# Altium PCB GN-1866-A-V2.PCBDOC (part 2 of 5)
Units mil, origin at the board's own origin, x right, y up, seen from the top; angles counter-clockwise.
Board outline 2475 x 2671.81 mil, 6 copper layers (TOP, ART02, ART03, ART04, ART05, BOTTOM), stack 47.2 mil thick; 347 components, 311 nets, 1697 pads, 1562 vias.
Unrouted connection lines stored in the file: 4.
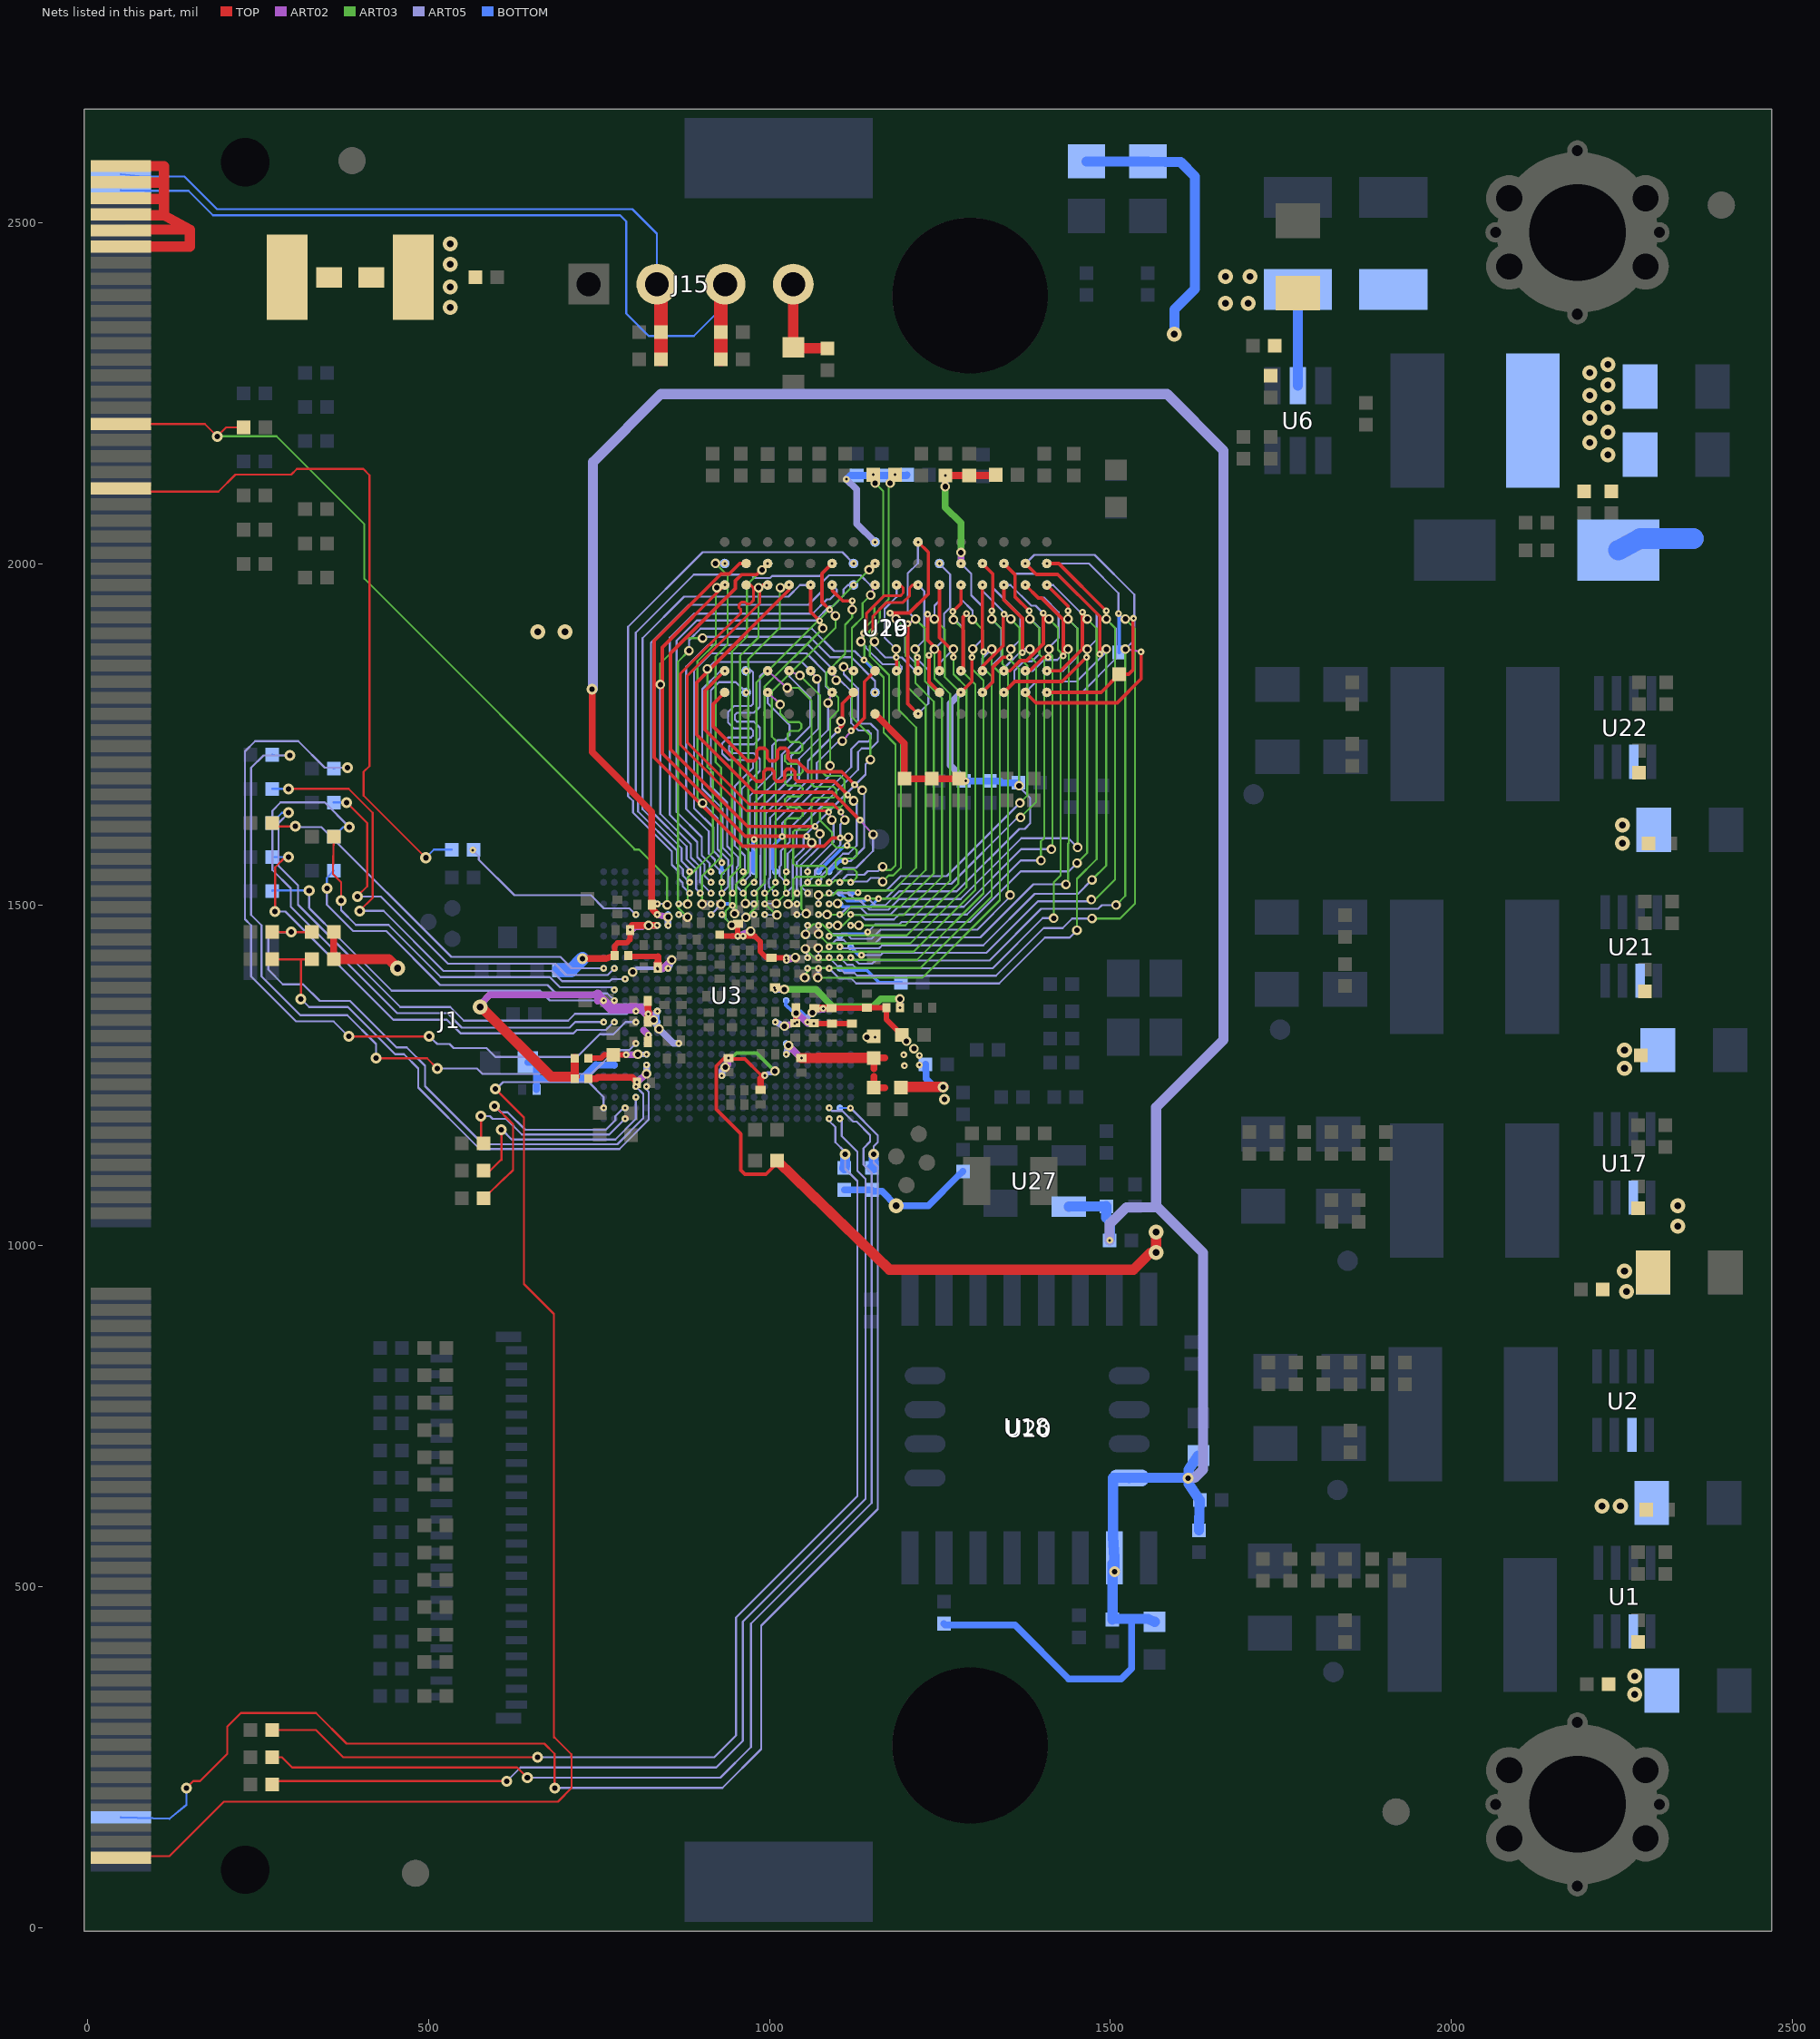
[diagram p6: the nets of this part, all layers, seen from the top]

## Via types
v1: diameter 10, hole 4, ART05 to BOTTOM, 456 vias
v2: diameter 22, hole 10, TOP to BOTTOM, 315 vias
v3: diameter 10, hole 4, TOP to ART02, 297 vias
v4: diameter 16, hole 8, TOP to BOTTOM, 255 vias
v5: diameter 14, hole 8, ART02 to ART05, 238 vias
v6: diameter 10, hole 4, ART02 to ART05, 1 vias

## Nets (pads, with @x,y where several pads share a name; then routed paths per layer and width w, separated by ;. In a path a pad name is that pad's centre, name@x,y a point inside that pad or via, vN(x,y) a via of type N, cw(c..) or ccw(c..) an arc to the next point about the centre after c; other vN are vias at no path point) (continued)
3V3: 3V3.1 C13.1 C28.2 C31.1 C32.1 C35.1 C36.1 C37.1 C43.1 C47.1 C55.1 C66.1 C69.1 C75.1 C76.1 C78.1 C79.1 C145.1 C146.1 C148.1 C149.1 C201.1 C310.1 C326.1 C448.1 C463.1 C480.1 J15.4 L1.2 LB7.1 LB14.2 LB17.2 LED1.1 LED3.1 R4.1 R15.1 R16.1 R33.1 R40.1 R41.1 R42.1 R68.1 R82.1 R84.1 R90.2 R245.1 R265.1 U1.2 U2.2 U3.F19 U3.K19 U3.P19 U3.R6 U3.R19 U3.U17 U3.Y9 U3.Y13 U17.2 U21.2 U22.2 | length 3183.5
  TOP w3: v3@992,1250 v3(993,1250)
  TOP w5: v3(940,1275.5) C31.1@939.7,1275.32 ; v3@992,1250 987,1250 987,1251 964,1274 939.65,1274 938.84,1274.81 C31.1@939.7,1275.32 ; R15.1@1013.01,1123.05 994.97,1105 964,1105 958,1111 958,1164 922,1200 922,1263.68 933.64,1275.32 C31.1@939.7,1275.32 ; v3(1065,1326) C146.1@1065,1326.5
  TOP w8: LB17.2@772.8,1425.5 772.8,1439.55 777.25,1444 790.5,1444 795.5,1449 795.76,1461 v3(795.82,1463.55) ; v3(1065,1326) C28.2@1091.88,1326.09 C310.1@1121.03,1326.12
  TOP w10: R82.1@361,1420 R33.1@361,1460 ; v4(726,1421) 760,1421 LB17.2@772.8,1425.5 ; C145.1@795.5,1463 795.76,1461 v3(795.82,1463.55) 795.76,1466.76 799,1470 v3(835,1470) ; C55.1@821.5,1359 v3@822.5,1340.5 ; C32.1@987,1228.5 987,1245 v3@992,1250 ; v3@822.5,1340.5 v3(822,1340) C148.1@821.5,1329 v3@822.5,1340.5
  TOP w12: LB14.2@714.38,1245.03 714.38,1248 LB7.1@714.38,1275.03
  TOP w15: R82.1@361,1420 375.05,1420.18 441.82,1420.18 v2(455,1407) ; v2(576,1350) 577.53,1350 679.53,1248 LB14.2@714.38,1248 ; R15.1@1011,1125 1013.01,1123.05 1176,965 1534,965 1559,990 v2(1567,990) v2(1567,1020) ; J15.4@1035,2410 C480.1@1035,2317.5 1036.38,2316.12 1080.91,2316.12 C448.1@1085,2316
  ART02 w10: v2(576,1350) 577,1349 577,1355 590,1368 748,1368 748,1359 ; v3(795.82,1463.55) 799.21,1464.34 799.63,1464.34 802.99,1467.7 813.61,1467.7 815.76,1469.84 v5(822.8,1469.84) 822.96,1470 v3(835,1470) ; 815.5,1316 v3(822.5,1309) ; v5(935.21,1261.83) 938.84,1265.46 v3@938.84,1274.81 ; v5(1039,1341) 1041,1341 1056,1326 v3(1065,1326) ; v5(1143,1306) v3(1155,1306)
  ART02 w15: 748,1368 768,1348 814,1348 v3(822,1340)
  ART03 w5: v5@935.93,1261.83 935.93,1266.82 951.63,1282.52 981.48,1282.52 v5(1008,1256)
  ART03 w6: v5(935.21,1261.83) v5@935.93,1261.83
  ART05 w5: v5(799.5,1401.4) 804.96,1406.86 v1(835.62,1406.86)
  ART05 w6: v1(993.1,1249.38) 996.72,1253 1005,1253 v5(1008,1256)
  ART05 w10: v5(822.8,1469.84) v1(835.62,1469.85) ; v1(835.62,1343.87) v5(830,1331) v5(838,1318) 859.38,1296.62 v1(867.11,1296.62) ; v1(930.11,1249.38) 930.11,1256.73 v5(935.21,1261.83) ; v5(1039,1341) v1(1040.34,1328.12)
  BOTTOM w6: U3.R19@835.62,1328.12 v1(835.62,1343.87)
  BOTTOM w10: R245.1@1110,1082 R265.1@1150,1082 1152,1080 1165,1080 v2(1186,1059) 1233,1059 1278,1104 R84.1@1284,1109
  BOTTOM w15: LED1.1@1465,2590 LED3.1@1555,2590 1603,2589 1624,2568 1624,2403 1594,2373 v2(1594,2337)
  BOTTOM w20: R90.2@691,1404 709,1404 v4(726,1421)
  BOTTOM w30: C47.1@2245,2020 2277,2037 3V3.1@2355,2037
  other v2: 2269,342 2269,369 2221,618 2248,618 2257,933 2254,963 2332,1029 2332,1059 2254,1260 2254,1287 2251,1590 2251,1617 660,1900 700,1900 2230,2160 2203,2178 2230,2193 2203,2214 2230,2229 2203,2247 2230,2262 2203,2280 2230,2292
3V3/1V8: C10.1 C41.1 C45.1 C48.1 C183.1 C184.1 C231.1 C306.1 C312.1 C313.1 LB4.2 R2.2 R4.2 R12.2 R36.1 R73.2 R79.1 R86.2 R127.1 U3.E18 U3.F18 U3.N7 U3.R5 U3.U7 U3.V7 U18.8 U20.2 U27.4 | length 5059.7
  TOP w8: C183.1@1091,1348.5 1142.5,1348.5 C313.1@1143,1349 LB4.2@1171.38,1349.03 1171.38,1332.12 R36.1@1194.5,1309
  TOP w10: v4(740,1816) 740,1724 827.5,1636.5 C312.1@827.5,1500 829,1492.38 835.7,1485.68 v3(835.62,1485.6) ; v3(1079,1348) C306.1@1066,1348.5 C183.1@1091,1348.5 ; 1153,1248.02 R2.2@1153,1232 1169.02,1232 ; 1153,1259.48 R4.2@1153,1275.5 1169.02,1275.5
  TOP w15: v3(1046.88,1275.25) 1070.13,1275.25 1070.38,1275.5 R4.2@1153,1275.5 ; R12.2@1193,1232 1195,1233 v4(1255,1233)
  ART02 w10: v3(835.62,1485.6) v5(851.37,1482) ; v5(1028.12,1293.77) v3(1046.88,1275.25)
  ART02 w12: v5(1063,1342) 1069,1348 v3(1079,1348)
  ART05 w8: v1(1056.09,1328.12) 1056.09,1335.09 v5(1063,1342)
  ART05 w10: v1(851.37,1469.85) v5(851.37,1482) ; v1(1024.59,1280.88) v5(1028.12,1293.77)
  ART05 w15: v4@741,1816 741,2149 841,2249 1583,2249 1666,2166 1666,1302 1567,1203 1567,1059 1569.5,1056.5 ; v1(1499,1008) 1499,1032 1523.5,1056.5 1569.5,1056.5 ; v4(1614,659) 1615,660 1624,660 1636,672 1636,990 1569.5,1056.5
  BOTTOM w5: U3.N7@1024.59,1359.62 1024,1353 1033,1344 1046,1344 1056.09,1333.91 v1(1056.09,1328.12)
  BOTTOM w6: v1(851.37,1469.85) U3.E18@851.37,1485.6 ; v1(1024.59,1280.88) U3.U7@1024.59,1296.62
  BOTTOM w10: R79.1@1229,1266 1230,1245 1242,1233 v4(1255,1233) ; R73.2@1256,446 1258,444 1360,444 1439,365 1516,365 1531,380 1531,453
  BOTTOM w15: U27.4@1439,1057.5 R86.2@1494,1058 1494,1041 1499.11,1035.89 1499.11,1010.92 v1(1499,1008) ; v4(1506,522) U20.2@1506,537 ; U18.8@1527.61,659.61 U18.8@1537,659.91 ; C231.1@1565,448.5 1555,453 1531,453 1504,453 C41.1@1503,452 1503.15,456.14 1503.15,533.81 1505.99,536.65 1505.99,536.82 U20.2@1506,537 ; C10.1@1629,692.5 1615,672 1615,660 v4(1614,659) ; R127.1@1630,583 C45.1@1631,627 1615,651 1615,658 v4(1614,659) ; U20.2@1506,537 U20.2@1506,542.53 1504,573 1504,659.91 U18.8@1537,659.91 ; U18.8@1537,659.91 1540,660 1613,660 v4(1614,659)
  other v3: 1198,1264 1220,1265 1220,1279 1197,1280
  other v4: 1257,1215
  other v5: 1212,1289 1201,1300
12V0: BBBB.2 C15.1 C44.1 C46.1 C170.1 C279.1 F1.2 R76.1 U6.5 | length 141.3
  BOTTOM w15: U6.5@1775,2261.18 C44.1@1775,2402.5
  other v2: 532,2376 1669,2382 1702,2382 532,2406 1669,2421 1705,2421 532,2439 532,2469
12V0IN: BBBB.1 F1.1 J1.194 J1.196 J1.198 J1.200 J1.202 J1.204 | length 603.1
  TOP w15: J1.194@49,2465.02 61.01,2465.2 150,2465.2 150,2490 ; J1.196@49,2488.64 58,2490 150,2490 ; J1.198@49,2512.26 70,2511 112,2511 ; J1.200@49,2535.88 64,2535 112,2535 ; J1.202@49,2559.5 70,2559 112,2559 ; J1.204@49,2583.13 112,2583 112,2559 ; F1.1@289,2412 F1.1@292.5,2420 ; 112,2511 150,2490 ; 112,2511 112,2535 ; 112,2535 112,2559
AC_VREF: C33.1 C333.1 U3.W23 | length 175.8
  BOTTOM w10: C333.1@645.5,1269 658.19,1269 658.19,1245 ; C33.1@658.5,1229 658.19,1232.02 658.19,1245 ; U3.W23@772.63,1265.13 745.87,1265.13 745.5,1265.5 725,1245 658.19,1245
AVDD09_PLL: C29.1 LB8.1 U3.R8 | length 59.2
  TOP w7: v3(1037,1326) C29.1@1037.75,1326.75 ; C29.1@1038,1326.5 C29.1@1039,1328 ; LB8.1@1039,1350 C29.1@1039,1328 ; C29.1@1037.75,1326.75 C29.1@1038,1326.5 ; C29.1@1037.75,1326.75 C29.1@1038,1326.5 ; C29.1@1037.75,1326.75 C29.1@1039,1328 ; C29.1@1038,1326.5 C29.1@1039,1328
  ART02 w10: v5(1022,1322) v3(1037,1326)
  ART05 w10: v1(1008.85,1328.12) v5(1022,1322)
AVDD33_AC: C21.2 LB7.2 U3.V20 | length 87.9
  TOP w8: LB7.2@734.38,1275.03 753.02,1275.03 757.99,1280 C21.2@771,1280 v3(790,1280)
  ART02 w10: v3(790,1280) 806.13,1280 v5(807.01,1280.88)
  ART05 w8: v5(807.01,1280.88) v1(819.87,1280.88)
AVDD33_PLL: C30.1 LB4.1 U3.M8 | length 225.3
  ART02 w10: v3(1007.08,1378.09) v5(1021.88,1375.86) ; v3(1191.38,1349.03) v5(1191.38,1362)
  ART03 w10: v5(1021.88,1375.86) 1068.14,1375.86 1093,1351 1152,1351 1163,1362 v5(1191.38,1362)
  ART05 w10: v1(1008.85,1375.36) v5(1021.88,1375.86)
AVDD33_USB2: C42.1 LB17.1 U3.K18 | length 101.3
  TOP w8: LB17.1@792.8,1425.5 793.8,1424.5 835.75,1424.5 836.5,1423.75 ; v3(836.5,1405.99) C42.1@836.5,1407.99
  TOP w10: C42.1@836.5,1414 836.5,1423.75
  TOP w12: C42.1@836.5,1407.99 C42.1@836.5,1414
  ART02 w10: v3(836.5,1405.99) 843.49,1405.99 v5(856.7,1419.2)
  ART05 w10: v1(851.37,1406.86) v5(856.7,1419.2)
AVDD33_VDAC: C22.1 LB14.1 U3.W20 | length 107.8
  TOP w10: LB14.1@734.38,1245.03 746.02,1245.03 747.99,1247 799,1247 v3(806,1240) C22.1@805.5,1239
  ART02 w10: v3(806,1240) v5(819.87,1252.23)
  ART05 w10: v5(819.87,1252.23) v1(819.87,1265.13)
AVDD_DDRPLL: C38.1 C39.1 LB1.2 U3.G11 U3.J7 | length 201.3
  TOP w8: LB1.2@927,1456 928.93,1454.07 v3(953.55,1454.07) ; C39.1@954,1472.5 953.55,1472.05 v3(953.55,1454.07) ; v3(1025.08,1418.59) 1021.58,1422.09 C38.1@1003.08,1422.09 995.9,1422.09 986.58,1431.41 986.58,1446.07 978.58,1454.07 v3(953.55,1454.07)
  ART02 w10: v3(953.55,1454.07) v5(972.4,1461.5) ; v3(1025.08,1418.59) v5(1038.08,1422.79)
  ART05 w8: v1(1024.59,1422.61) v5(1038.08,1422.79)
  ART05 w10: v1(961.6,1454.1) v5(972.4,1461.5)
DDR_1_VREF_CA: C161.1 R183.2 R243.1 U19.M8 | length 227.7
  ART05 w10: v1(1280.92,1811.48) 1264.8,1795.36 1264.8,1704.7 v1(1288,1681.5)
  BOTTOM w10: C161.1@1285,1681.5 v1(1288,1681.5) R183.2@1323,1681.5 1338,1681.5 1340.47,1679.03 R243.1@1365.38,1679.03
DDR_1_VREF_DQ: C162.1 R108.2 R184.1 U19.H1 | length 201.1
  ART05 w10: v1(1113,2124) 1128,2109 1128,2058.88 v1(1154.93,2031.95)
  BOTTOM w10: v1(1113,2124) 1118.5,2129.5 C162.1@1128,2129.5 R108.2@1165,2129.5 1201,2129.5 R184.1@1202,2130.5
DDR_2_VREF_CA: C163.1 R187.2 R236.1 U26.M8 | length 212.9
  TOP w10: v3(1258,2129.5) R187.2@1293,2129.5 1331,2129.5 R236.1@1332,2130.5
  ART02 w10: v5(1258,2113.2) v3(1258,2129.5) ; v3(1280.92,2000.46) v5(1280.92,2016.5)
  ART03 w10: v5(1258,2113.2) 1258,2082.8 1280.92,2059.88 v5(1280.92,2016.5)
DDR_2_VREF_DQ: C164.1 R164.2 R239.1 U26.H1 | length 192.8
  TOP w10: U26.H1@1154.93,1779.99 1198,1736.92 C164.1@1198,1685 R164.2@1238,1685 R239.1@1278,1685
DDR_A0: U3.C1 U19.N3 U26.N3 | length 762.7
  TOP w5: U26.N3@1312.41,1842.98 1312.41,1849.42 1343,1880.01 1343,1925 v3(1344,1926)
  ART02 w3: v3(1344,1926) v5(1354,1919)
  ART03 w3: v5(1354,1919) 1367,1906 1367,1861.99 1370.05,1858.93 1378.17,1850.81 1378.17,1660.17 v5(1367.2,1649.2)
  ART05 w3: v1(1129.95,1518.05) 1132.7,1520.8 1171.3,1520.8 1192.5,1542 1260,1542 v5(1367.2,1649.2) ; v1(1312.41,1968.96) 1312.41,1960.59 v5(1354,1919)
  BOTTOM w5: U3.C1@1119.08,1517.1 1129,1517.1 v1(1129.95,1518.05)
DDR_A1: U3.D2 U19.P7 U26.P7 | length 757
  TOP w5: U26.P7@1343.91,1968.96 1343.91,1947.19 1371,1920.1 v3(1371,1870)
  ART02 w3: v3(1371,1870) v5(1382,1875)
  ART03 w3: v5(1368.3,1628.1) 1391,1650.8 1391,1855 1382,1864 v5(1382,1875)
  ART05 w3: v1(1160,1509) 1170.2,1509 1192,1530.8 1266.82,1530.8 1364.12,1628.1 v5(1368.3,1628.1) ; v1(1343.91,1842.98) 1343.91,1846.91 1372,1875 v5(1382,1875)
  BOTTOM w5: U3.D2@1103.33,1501.35 1107.68,1497 1148,1497 v1(1160,1509)
DDR_A2: U3.J2 U19.P3 U26.P3 | length 1018.2
  TOP w5: U26.P3@1343.91,1842.98 1352.99,1842.98 1368.01,1858 1377,1858 1401.74,1882.74 v3(1401.74,1927.73)
  ART02 w3: v3(1401.74,1927.73) v5(1410,1919)
  ART03 w3: v5(1410,1919) 1423,1906 1423,1873.99 1427,1869.99 1427,1543 1417,1533 v5(1417,1480.5)
  ART05 w3: v1(1103.33,1422.61) 1113.94,1412 1122,1412 1126.85,1407.15 1327.58,1407.15 1400.93,1480.5 v5(1417,1480.5) ; v1(1343.91,1968.96) 1353.55,1968.96 1384.01,1938.5 1390.5,1938.5 v5(1410,1919)
DDR_A3: U3.C2 U19.N2 U26.N2 | length 847
  TOP w5: U26.N2@1312.41,1811.48 1327.43,1826.5 1327.43,1847.93 1342.5,1863 v3(1352,1863)
  ART02 w3: v3(1352,1863) v5(1354,1875)
  ART03 w3: v5(1354,1875) 1354,1858 1366.17,1845.83 v5(1366.17,1674.7)
  ART05 w3: v1(1144,1510) 1154.9,1499.1 1169.8,1499.1 1190.3,1519.6 1274.6,1519.6 1366.4,1611.4 1374.4,1611.4 1382.49,1619.49 1382.49,1656.92 1366.17,1673.24 v5(1366.17,1674.7) ; v1(1312.41,2000.46) 1328,1984.87 1328,1964.5 1368,1924.5 1368,1889 v5(1354,1875)
  BOTTOM w5: U3.C2@1103.33,1517.1 1114.43,1506 1140,1506 v1(1144,1510)
DDR_A4: U3.E1 U19.P8 U26.P8 | length 922
  TOP w5: U26.P8@1343.91,2000.46 1360.03,1984.34 1360.03,1951.97 v3(1381,1931)
  ART02 w3: v3(1381,1931) v5(1382,1919)
  ART03 w3: v5(1382,1919) 1396,1905 1396,1866.99 1403,1859.99 1403,1597.76 1398.24,1593 v5(1398.24,1565)
  ART05 w3: v1(1119.08,1485.6) 1133.3,1485.6 1140.4,1478.5 1182.7,1478.5 1190.2,1486 1289.56,1486 1368.56,1565 v5(1398.24,1565) ; v1(1343.91,1811.48) 1359.08,1826.65 1359.08,1843.08 1373,1857 1385,1857 1396,1868 1396,1906.01 1383.01,1919 v5(1382,1919)
DDR_A5: U3.G2 U19.P2 U26.P2 | length 1091.5
  TOP w5: U26.P2@1343.91,1811.48 1359.91,1827.48 1429.48,1827.48 v3(1465,1863)
  ART02 w3: v3(1465,1863) v5(1466,1875)
  ART03 w3: v5(1451.3,1561.3) 1466,1576 v5(1466,1875)
  ART05 w3: v1(1144,1460) 1155.2,1471.2 1190.2,1471.2 1193.8,1474.8 1294.2,1474.8 1368.4,1549 1439,1549 v5(1451.3,1561.3) ; v1(1343.91,2000.46) 1358.87,1985.5 1422.5,1985.5 1480,1928 1480,1889 v5(1466,1875)
  BOTTOM w5: U3.G2@1103.33,1454.1 1106.23,1457 1141,1457 v1(1144,1460)
DDR_A6: U3.H2 U19.R8 U26.R8 | length 1115.4
  TOP w5: U26.R8@1375.4,2000.46 1391.38,1984.48 1422.82,1984.48 1484.5,1922.8 v3(1484.5,1867.5)
  ART02 w3: v3(1484.5,1867.5) v5(1494,1875)
  ART03 w3: v5(1473.08,1536.59) 1494,1557.51 v5(1494,1875)
  ART05 w3: v1(1103.33,1438.36) 1105.49,1436.2 1160.85,1436.2 1165.4,1440.75 1313.66,1440.75 1389.11,1516.2 1452.69,1516.2 v5(1473.08,1536.59) ; v1(1375.4,1811.48) 1391.51,1827.59 1450.81,1827.59 1494,1870.78 v5(1494,1875)
DDR_A7: U3.J1 U19.R2 U26.R2 | length 1337.8
  TOP w5: U26.R2@1375.4,1811.48 1390.7,1796.18 1510.18,1796.18 1545,1831 v3(1545,1871)
  ART02 w3: v5(1522,1875) v3(1545,1871)
  ART03 w3: v5(1508.5,1499.5) 1522,1513 v5(1522,1875)
  ART05 w3: v1(1119.08,1422.61) 1122.38,1422.61 1131.49,1413.5 1150.75,1413.5 1155.6,1418.35 1322.94,1418.35 1398.59,1494 1482.01,1494 1487.5,1499.49 v5(1508.5,1499.5) ; v1(1375.4,2000.46) 1375.96,2000.46 1388.5,2013 1477,2013 1535,1955 1535,1888 v5(1522,1875)
DDR_A8: U3.H1 U19.T8 U26.T8 | length 1139.5
  TOP w5: U26.T8@1406.9,2000.46 1424.54,2000.46 v3(1494,1931)
  ART02 w3: v5(1494,1919) v3(1494,1931)
  ART03 w3: v5(1472.25,1507.75) 1477.75,1507.75 1507,1537 1507,1906 v5(1494,1919)
  ART05 w3: v1(1134.98,1426.26) 1163.11,1426.26 1166.4,1429.55 1318.3,1429.55 1393.75,1505 1469.5,1505 v5(1472.25,1507.75) ; v1(1406.9,1811.48) 1458.58,1811.48 1508,1860.9 1508,1905 v5(1494,1919)
  BOTTOM w5: U3.H1@1119.08,1438.36 1131.18,1426.26 v1(1134.98,1426.26)
DDR_A9: U3.E2 U19.R3 U26.R3 | length 832.4
  TOP w5: U26.R3@1375.4,1842.98 1381.99,1842.98 1402.01,1863 v3(1408.69,1863)
  ART02 w3: v3(1408.69,1863) v5(1410,1875)
  ART03 w3: v5(1410,1875) 1410,1870 1415,1865 1415,1583 v5(1413.5,1581.5)
  ART05 w3: v1(1103.33,1485.6) 1113.65,1495.35 1133.95,1495.35 1143.5,1485.8 1177.6,1485.8 1189,1497.2 1284.92,1497.2 1369.22,1581.5 v5(1413.5,1581.5) ; v1(1375.4,1968.96) 1393.86,1950.5 1402.5,1950.5 1424,1929 1424,1891.44 1410,1877.44 v5(1410,1875)
DDR_A10: U3.F4 U19.L7 U26.L7 | length 794
  TOP w5: U26.L7@1249.42,1968.96 1249.42,1891.58 1270,1871 v3(1270,1863)
  ART02 w3: v3(1270,1863) v5(1270,1875)
  ART03 w3: v5(1071.84,1457.01) 1085.55,1443.3 1206.58,1443.3 1289,1525.72 1289,1819 1270,1838 v5(1270,1875)
  ART05 w3: v5(1071.84,1457.01) v1(1071.84,1469.85) ; v1(1249.42,1842.98) 1249.42,1854.42 v5(1270,1875)
DDR_A11: U3.H3 U19.R7 U26.R7 | length 954.8
  TOP w5: U26.R7@1375.4,1968.96 1394.36,1950 1399,1950 1431,1918 v3(1431,1865)
  ART02 w3: v3(1431,1865) v5(1438,1875)
  ART03 w3: v5(1435,1530) 1438,1533 1438,1589.7 1439,1590.7 1439,1874 v5(1438,1875)
  ART05 w3: v1(1087.59,1438.36) 1097.83,1448.6 1108.6,1448.6 1114,1443.2 1154.65,1443.2 1163.8,1452.35 1309.42,1452.35 1387.07,1530 v5(1435,1530) ; v1(1375.4,1842.98) 1386.48,1842.98 1402.5,1859 1422.22,1859 v5(1438,1875)
DDR_A12: U3.K4 U19.N7 U26.N7 | length 850.1
  TOP w5: U26.N7@1312.41,1968.96 1312.41,1872.59 v3(1314,1871)
  ART02 w3: v3(1314,1871) v5(1326,1875)
  ART03 w3: v5(1070.84,1393.12) 1224.32,1393.12 1338,1506.8 1338,1840 1326,1852 v5(1326,1875)
  ART05 w3: v5(1070.84,1393.12) v1(1071.84,1406.86) ; v1(1312.41,1842.98) 1312.41,1861.41 v5(1326,1875)
DDR_A13: U3.K3 U19.T3 U26.T3 | length 1090.3
  TOP w5: U26.T3@1406.9,1842.98 1426.99,1842.98 1459,1874.99 v3(1459,1929)
  ART02 w3: v3(1459,1929) v5(1466,1919)
  ART03 w3: v5(1451,1462.7) 1451,1538 1480,1567 1480,1905 v5(1466,1919)
  ART05 w3: v1(1087.59,1406.86) 1102.45,1392 1120,1392 1127.25,1384.75 1336.86,1384.75 1404.11,1452 1440.3,1452 v5(1451,1462.7) ; v1(1406.9,1968.96) 1416.04,1968.96 v5(1466,1919)
DDR_A14: U3.C3 U19.T7 U26.T7 | length 941.5
  TOP w5: U26.T7@1406.9,1968.96 1438,1937.86 v3(1438,1931)
  ART02 w3: v5(1438,1919) v3(1438,1931)
  ART03 w3: v5(1438,1919) 1452,1905 v5(1452,1584)
  ART05 w3: v1(1087.59,1517.1) 1116.4,1517.1 1126.7,1506.8 1132.4,1506.8 1146.5,1492.7 1174.5,1492.7 1190.2,1508.4 1280.28,1508.4 1369.38,1597.5 1438.5,1597.5 v5(1452,1584) ; v1(1406.9,1842.98) 1430.58,1842.98 1452,1864.4 1452,1905 v5(1438,1919)
DDR_A15: U3.J4 U19.M7 U26.M7 | length 832.8
  TOP w5: v3(1269,1930) 1280.92,1941.92 U26.M7@1280.92,1968.96
  ART02 w3: v3(1269,1930) v5(1270,1918)
  ART03 w3: v5(1071.68,1436.59) 1076.97,1431.3 1211.56,1431.3 1302,1521.74 1302,1823 1285,1840 1285,1903 v5(1270,1918)
  ART05 w3: v5(1071.68,1436.59) v1(1071.84,1422.61) ; v5(1270,1918) 1272.16,1918 1284,1906.16 1284,1846.06 v1(1280.92,1842.98)
DDR_BA0: U3.J5 U19.M2 U26.M2 | length 900.9
  TOP w5: U26.M2@1280.92,1811.48 1297,1827.56 v3(1297,1863)
  ART02 w3: v3(1297,1863) v5(1298,1875.07)
  ART03 w3: v5(1052.64,1435.35) 1068.69,1419.3 1216.54,1419.3 1314,1516.76 1314,1828.99 1298,1844.99 v5(1298,1875.07)
  ART05 w3: v5(1052.64,1435.35) v1(1056.09,1422.61) ; v1(1280.92,2000.46) 1296,1985.38 1296,1953.8 1312,1937.8 1312,1889.07 v5(1298,1875.07)
DDR_BA1: U3.G3 U19.N8 U26.N8 | length 926.3
  TOP w5: U26.N8@1312.41,2000.46 1327.43,1985.44 1327.43,1932.43 v3(1326,1931)
  ART02 w3: v5(1326,1919) v3(1326,1931)
  ART03 w3: v5(1326,1919) 1341.5,1903.5 1341.5,1853.5 1350,1845 1350,1517.2 v5(1352.9,1514.3)
  ART05 w3: v1(1087.59,1454.1) 1090.59,1457.1 1113.2,1457.1 1120,1450.3 1150.1,1450.3 1163.4,1463.6 1304.83,1463.6 1352.9,1511.67 v5(1352.9,1514.3) ; v1(1312.41,1811.48) 1312.41,1812.91 1328.08,1828.58 1328.08,1852.08 1340,1864 1340,1905 v5(1326,1919)
DDR_BA2: U3.K5 U19.M3 U26.M3 | length 915.9
  TOP w5: U26.M3@1280.92,1842.98 1284,1846.06 1284,1922 v3(1289,1927)
  ART02 w3: v3(1289,1927) v5(1297.83,1918.49)
  ART03 w3: v5(1051.84,1393.12) 1051.84,1397.84 1061.3,1407.3 1221.52,1407.3 1326,1511.78 1326,1835 1313,1848 1313,1903.32 v5(1297.83,1918.49)